# Altium PCB Copy of Hrafn425.PcbDoc (part 1 of 3) (continued)
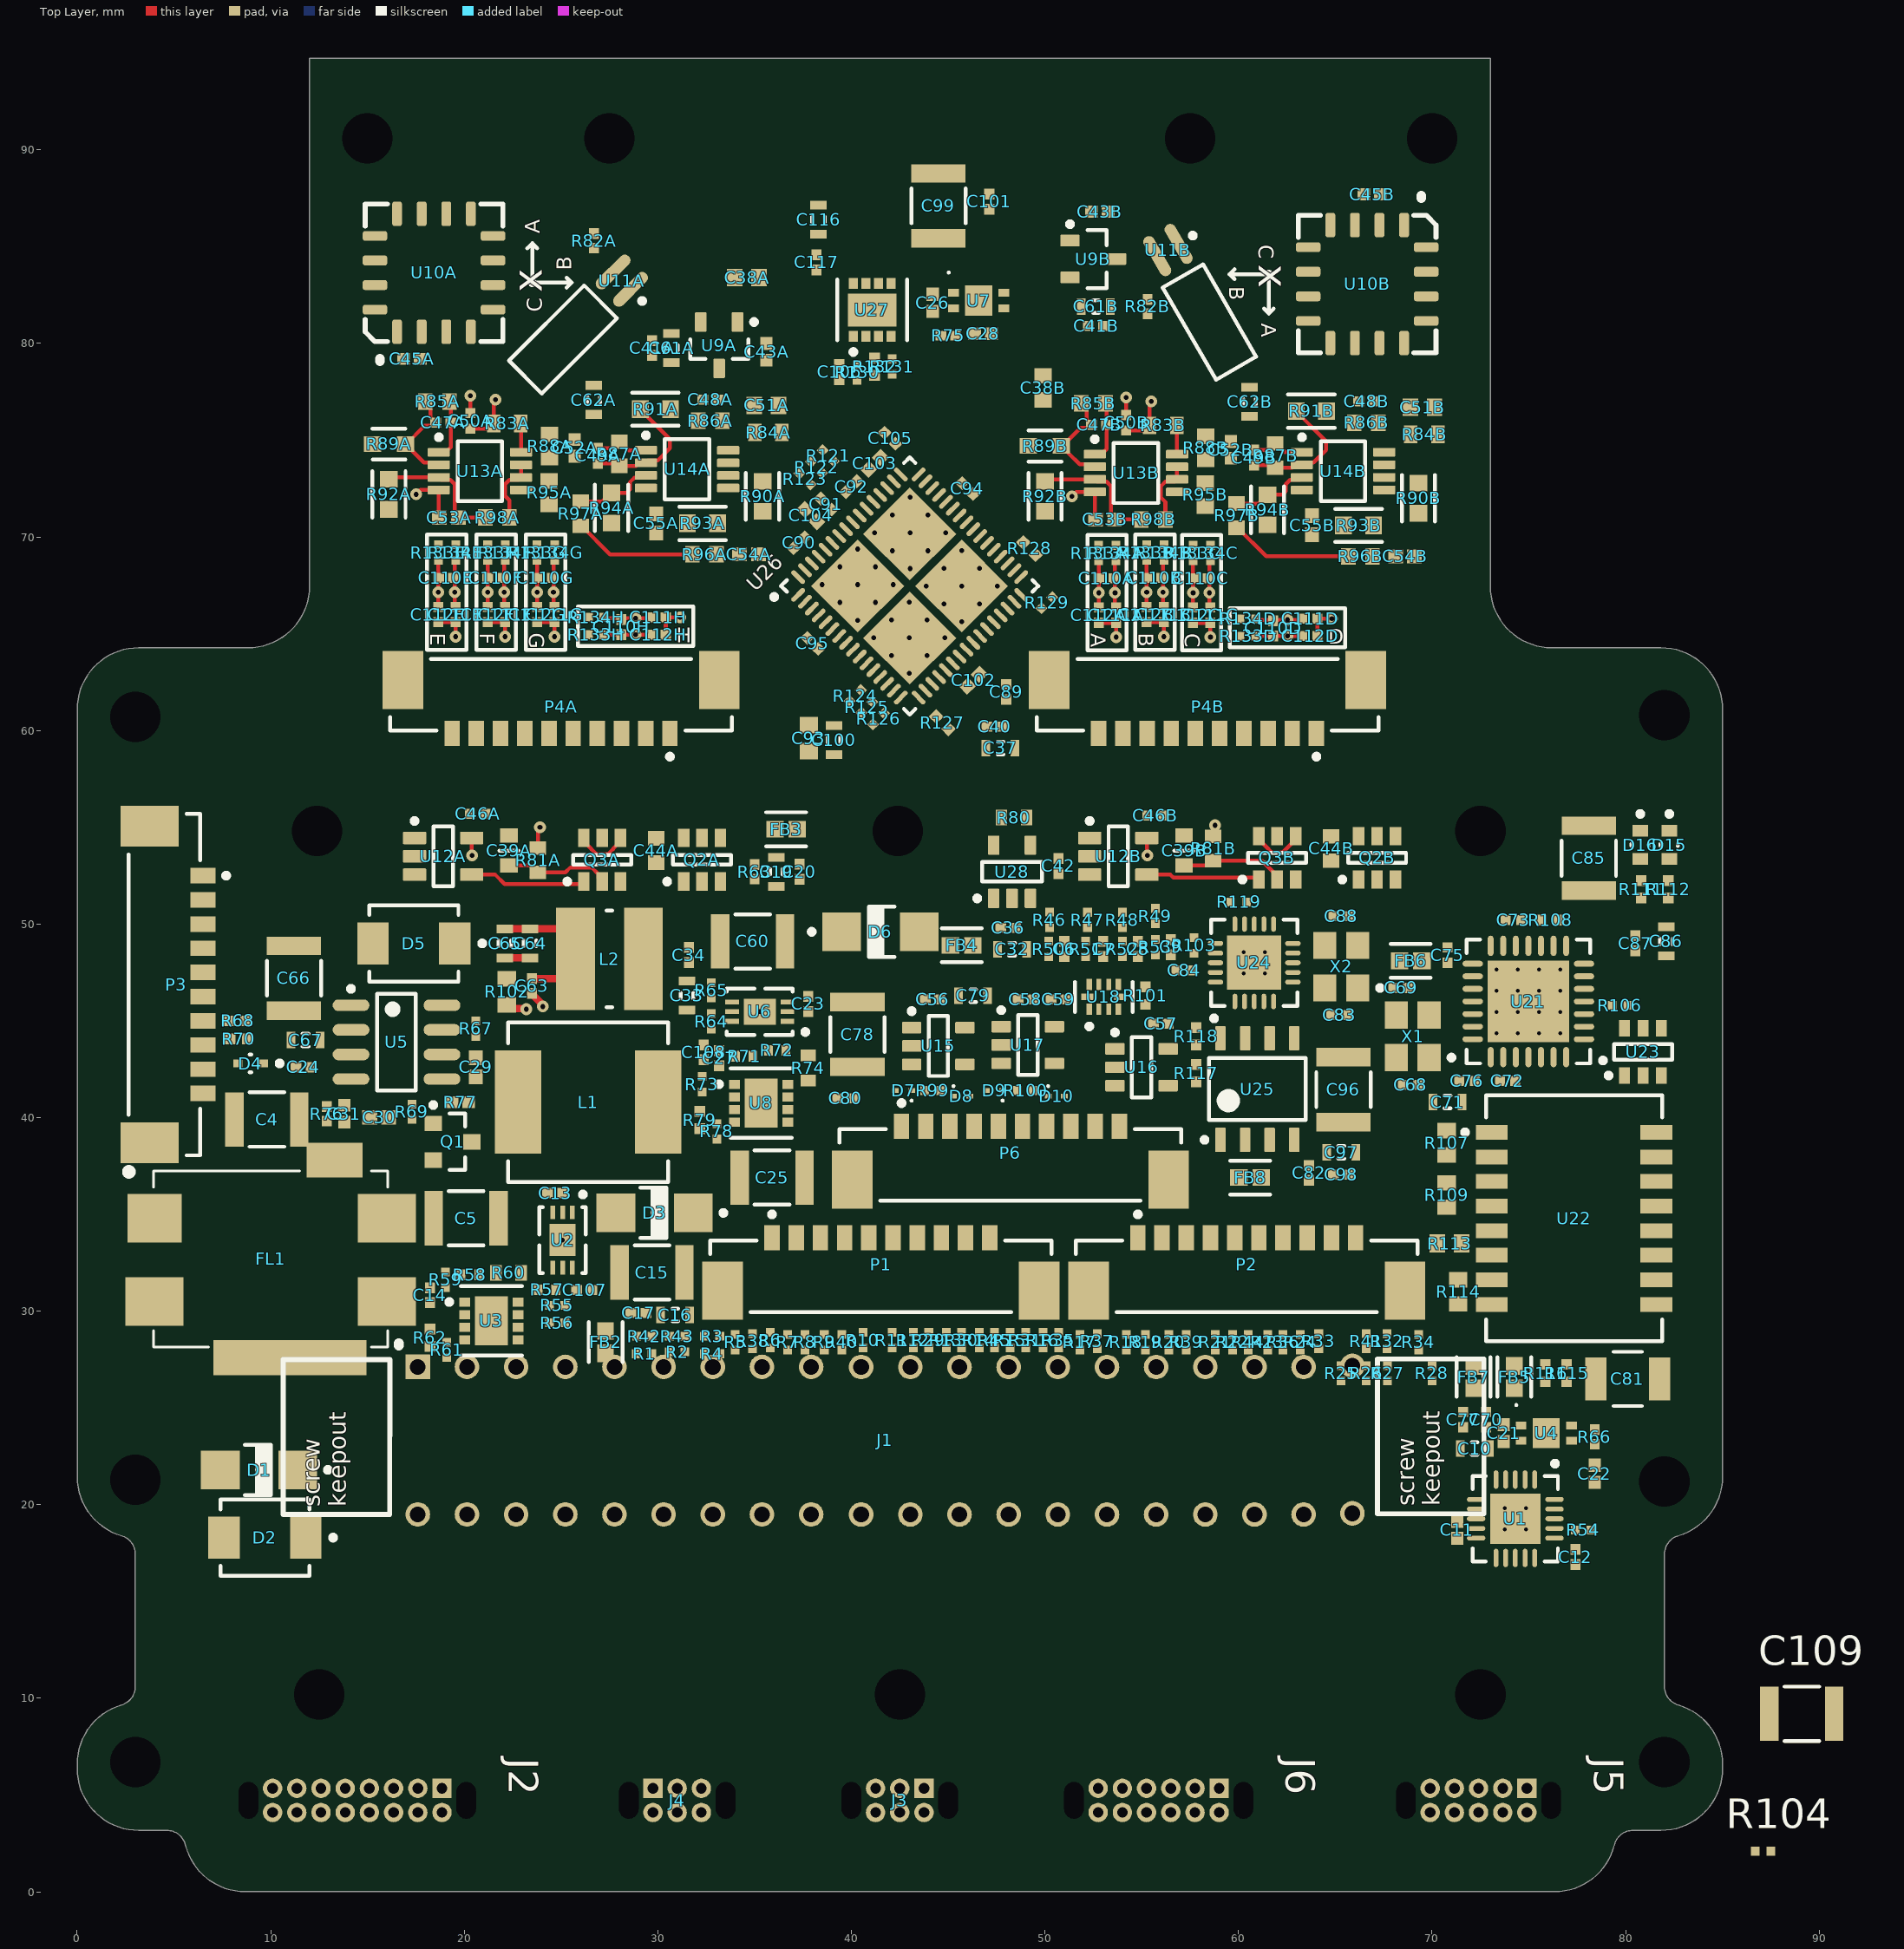
[diagram p0: Top Layer view]
## Components (designator, comment, footprint, x,y, rotation, side; value= is the part's Value field where it differs from the comment) (continued)
C66 "CGA6P1X7S1A476M250AC" FP-CGA6P-IPC_B 11.2,47.2 r90 top
C67 "10 uF" CAPC1608X90X20LL10 11.8,44 r180 top
C68 "18 pF" CAPC1005X55X25LL05T10 68.9,41.7 r0 top
C69 "18 pF" CAPC1005X55X25LL05T10 68.4,46.7 r0 top
C70 "0.1 uF" CAPC0402(1005)60_L 72.8,24.4 r90 top value=100nF
C71 "10 uF" CAPC1608X90X20LL10 70.8,40.8 r180 top
C72 "0.1 uF" CAPC0402(1005)60_L 73.9,41.9 r0 top value=100nF
C73 "0.1 uF" CAPC0402(1005)60_L 74.2,50.2 r0 top value=100nF
C75 "0.1 uF" CAPC0402(1005)60_L 70.8,48.4 r270 top value=100nF
C76 "0.1 uF" CAPC0402(1005)60_L 71.8,41.9 r180 top value=100nF
C77 "0.1 uF" CAPC0402(1005)60_L 71.6,24.4 r90 top value=100nF
C78 "CGA6P1X7S1A476M250AC" FP-CGA6P-IPC_B 40.315,44.3 r90 top
C79 "10 uF" CAPC1608X90X20LL10 46.29,46.3 r0 top
C80 "0.1 uF" CAPC1005X55X25LL05T10 39.69,41 r180 top
C81 "2.2nF" FP-CGA6P-MFG 80.1,26.5 r0 top
C82 "0.1 uF" CAPC1005X55X30LL05T10 63.64,37.15 r90 top
C83 "18 pF" CAPC1005X55X25LL05T10 65.21,45.3 r0 top
C84 "0.1 uF" CAPC1005X55X30LL05T10 57.2,47.6 r0 top
C85 "CGA6P1X7S1A476M250AC" FP-CGA6P-IPC_B 78.1,53.4 r90 top
C86 "10 uF" CAPC1608X90X20LL10 82.1,49.1 r270 top
C87 "0.1 uF" CAPC1005X55X25LL05T10 80.5,49 r270 top
C88 "18 pF" CAPC1005X55X25LL05T10 65.31,50.4 r180 top
C89 "0.1 uF" CAPC0402(1005)60_L 48,62 r90 top value=100nF
C90 "0.1 uF" CAPC0402(1005)60_L 37.3,69.7 r225 top value=100nF
C91 "0.1 uF" CAPC0402(1005)60_L 38.7,71.7 r315 top value=100nF
C92 "0.1 uF" CAPC0402(1005)60_L 40,72.6 r45 top value=100nF
C93 "10 uF" CAPC1608X90X35NL10T15 37.8,59.6 r90 top
C94 "0.1 uF" CAPC0402(1005)60_L 46,72.5 r315 top value=100nF
C95 "0.1 uF" CAPC0402(1005)60_L 38,64.5 r315 top value=100nF
C96 "CGA6P1X7S1A476M250AC" FP-CGA6P-IPC_B 65.421,41.445 r90 top
C97 "10 uF" CAPC1608X90X20LL10 65.31,38.2 r180 top
C98 "0.1 uF" CAPC1005X55X25LL05T10 65.297,37.055 r180 top
C99 "CGA6P1X7S1A476M250AC" FP-CGA6P-IPC_B 44.5,87.1 r90 top
C100 "10 uF" CAPC1608X90X20LL10 39.1,59.5 r90 top
C101 "0.1 uF" CAPC1005X55X25LL05T10 47.124,87.324 r270 top
C102 "1 uF" CAPC1005X60X30NL05T10 46.3,62.6 r45 top
C103 "1 uF" CAPC1005X60X30NL05T10 41.2,73.8 r225 top
C104 "1 uF" CAPC1005X60X30NL05T10 37.9,71.1 r315 top
C105 "0.1 uF" CAPC0402(1005)60_L 42,75.1 r315 top value=100nF
C106 "0.1 uF" CAPC1005X55X25LL05T10 39.374,78.518 r90 top
C107 "0.1 uF" CAPC1005X55X25LL05T10 26.2,31.1 r180 top
C108 "0.1 uF" CAPC1005X55X25LL05T10 32.368,43.374 r270 top
C109 "CGA6P1X7S1A476M250AC" FP-CGA6P-IPC_B 89.1,9.2 r0 top
C110A "1 uF" CAPC1005X55X25LL05T10 53.175,67.865 r180 top (schematic designator C110)
C110B "1 uF" CAPC1005X55X25LL05T10 55.65,67.89 r180 top (schematic designator C110)
C110C "1 uF" CAPC1005X55X25LL05T10 58.05,67.865 r180 top (schematic designator C110)
C110D "1 uF" CAPC1005X55X25LL05T10 61.784,65.275 r270 top (schematic designator C110)
C110E "1 uF" CAPC1005X55X25LL05T10 19.059,67.89 r180 top (schematic designator C110)
C110F "1 uF" CAPC1005X55X25LL05T10 21.612,67.89 r180 top (schematic designator C110)
C110G "1 uF" CAPC1005X55X25LL05T10 24.164,67.89 r180 top (schematic designator C110)
C110H "1 uF" CAPC1005X55X25LL05T10 28.11,65.35 r270 top (schematic designator C110)
C111A "0.1 uF" CAPC0402(1005)60_L 53.675,65.965 r90 top value=100nF (schematic designator C111)
C111B "0.1 uF" CAPC0402(1005)60_L 56.15,65.99 r90 top value=100nF (schematic designator C111)
C111C "0.1 uF" CAPC0402(1005)60_L 58.55,65.965 r90 top value=100nF (schematic designator C111)
C111D "0.1 uF" CAPC0402(1005)60_L 63.684,65.775 r180 top value=100nF (schematic designator C111)
C111E "0.1 uF" CAPC0402(1005)60_L 19.559,65.99 r90 top value=100nF (schematic designator C111)
C111F "0.1 uF" CAPC0402(1005)60_L 22.112,65.99 r90 top value=100nF (schematic designator C111)
C111G "0.1 uF" CAPC0402(1005)60_L 24.664,65.99 r90 top value=100nF (schematic designator C111)
C111H "0.1 uF" CAPC0402(1005)60_L 30.01,65.85 r180 top value=100nF (schematic designator C111)
C112A "0.1 uF" CAPC0402(1005)60_L 52.775,65.965 r90 top value=100nF (schematic designator C112)
C112B "0.1 uF" CAPC0402(1005)60_L 55.25,65.99 r90 top value=100nF (schematic designator C112)
C112C "0.1 uF" CAPC0402(1005)60_L 57.65,65.965 r90 top value=100nF (schematic designator C112)
C112D "0.1 uF" CAPC0402(1005)60_L 63.684,64.875 r180 top value=100nF (schematic designator C112)
C112E "0.1 uF" CAPC0402(1005)60_L 18.659,65.99 r90 top value=100nF (schematic designator C112)
C112F "0.1 uF" CAPC0402(1005)60_L 21.212,65.99 r90 top value=100nF (schematic designator C112)
C112G "0.1 uF" CAPC0402(1005)60_L 23.764,65.99 r90 top value=100nF (schematic designator C112)
C112H "0.1 uF" CAPC0402(1005)60_L 30.01,64.95 r180 top value=100nF (schematic designator C112)
C116 "10 uF" CAPC1608X90X20LL10 38.3,86.4 r270 top
C117 "0.1 uF" CAPC1005X55X25LL05T10 38.2,84.19 r90 top
D1 "Vz=5.6V nom" ONSC-SMA-2-403D-02_F_V 9.4,21.8 r180 top
D2 "STPS3L60U" FP-SMB-MFG 9.7,18.3 r180 top
D3 "Vz=5.6V nom" ONSC-SMA-2-403D-02_F_V 29.835,35.076 r180 top
D4 "1N914BWT" FP-502-01-MFG 8.96,42.8 r180 top value=4pF
D5 "STPS3L60U" FP-SMB-MFG 17.4,49 r180 top
D6 "Vz=3.9V nom" ONSC-SMA-2-403D-02_F_V 41.5,49.6 r0 top
D7 "ESD9R3.3ST5G" ONSC-SOD-923-2-514AB-01_V 42.69,41.4 r180 top
D8 "ESD9R3.3ST5G" ONSC-SOD-923-2-514AB-01_V 45.69,41.1 r0 top
D9 "ESD9R3.3ST5G" ONSC-SOD-923-2-514AB-01_V 47.39,41.4 r180 top
D10 "ESD9R3.3ST5G" ONSC-SOD-923-2-514AB-01_V 50.59,41.1 r0 top
D15 "TLMP1100-GS08" FP-6_541-5056_01-4-MFG 82.251,54.09 r270 top
D16 "TLMP1100-GS08" FP-6_541-5056_01-4-MFG 80.751,54.09 r270 top
FB2 "BLM18PG121SH1D" FP-BLM18-0_15-t0_8-IPC_C 27.3,28.4 r270 top
FB3 "BLM18PG121SH1D" FP-BLM18-0_15-t0_8-IPC_C 36.627,54.898 r180 top
FB4 "BLM18PG121SH1D" FP-BLM18-0_15-t0_8-IPC_C 45.7,48.9 r0 top
FB5 "BLM18PG121SH1D" FP-BLM18-0_15-t0_8-IPC_C 74.25,26.6 r90 top
FB6 "BLM18PG121SH1D" FP-BLM18-0_15-t0_8-IPC_C 68.9,48.1 r180 top
FB7 "BLM18PG121SH1D" FP-BLM18-0_15-t0_8-IPC_C 72.15,26.6 r90 top
FB8 "BLM18PG121SH1D" FP-BLM18-0_15-t0_8-IPC_C 60.6,36.9 r0 top
FL1 "BNX028-01L" "FIL_BNX028-01L - small" 10,32.7 r0 top
J1 "PiZero" DIP40 17.6,19.5 r90 top
J2 "Gecko_16" GECK16 18.85,5.35 r270 top
J3 "Gecko_6_M" GECK6_M 43.75,5.35 r270 top
J4 "Gecko_6_F" GECK6_F 29.75,4.1 r90 top
J5 "Gecko_10" GECK10-dup 74.9,5.35 r270 top
J6 "Gecko_12" GECK12 59,5.35 r270 top
L1 "IHLP3232DZER2R2M01" FP-IHLP-3232DZ-FP_2_413x5-MFG 26.4,40.8 r0 top
L2 "74404300047" WE-TPC-4828-MH 27.5,48.2 r180 top
P1 "53398-1071" MOLX-53398-1071_V 41.525,32.05 r180 top
P2 "53398-1071" MOLX-53398-1071_V 60.425,32.05 r180 top
P3 "53398-1071" MOLX-53398-1071_V 4.75,46.875 r90 top
P4A "53398-1071" MOLX-53398-1071_V 25,61.6 r0 top (schematic designator P4)
P4B "53398-1071" MOLX-53398-1071_V 58.4,61.6 r0 top (schematic designator P4)
P6 "53398-1071" MOLX-53398-1071_V 48.215,37.8 r180 top
Q1 "MMBT2222ALT3G" ONSC-SOT-23-3-318-08_V 19.4,38.75 r0 top
Q2A "NTGD4167CT1G" ONSC-TSOP-6-318G-02_V 32.281,53.322 r90 top (schematic designator Q2)
Q2B "NTGD4167CT1G" ONSC-TSOP-6-318G-02_V 67.158,53.422 r90 top (schematic designator Q2)
Q3A "NTGD4167CT1G" ONSC-TSOP-6-318G-02_V 27.123,53.322 r90 top (schematic designator Q3)
Q3B "NTGD4167CT1G" ONSC-TSOP-6-318G-02_V 62,53.422 r90 top (schematic designator Q3)
R1 "220 Ω" RESC1005X40X25LL05T05 29.29,27.8 r180 top
R2 "220 Ω" RESC1005X40X25LL05T05 31,27.9 r180 top
R3 "220 Ω" RESC1005X40X25LL05T05 32.8,28.7 r180 top
R4 "220 Ω" RESC1005X40X25LL05T05 32.8,27.8 r0 top
R5 "220 Ω" RESC1005X40X25LL05T05 34,28.4 r90 top
R6 "220 Ω" RESC1005X40X25LL05T05 35.8,28.5 r270 top
R7 "220 Ω" RESC1005X40X25LL05T05 36.7,28.4 r90 top
R8 "220 Ω" RESC1005X40X25LL05T05 37.6,28.4 r270 top
R9 "220 Ω" RESC1005X40X25LL05T05 38.6,28.4 r270 top
R10 "220 Ω" RESC1005X40X25LL05T05 40.6,28.5 r90 top
R11 "220 Ω" RESC1005X40X25LL05T05 42.1,28.5 r90 top
R12 "220 Ω" RESC1005X40X25LL05T05 43.2,28.5 r270 top
R13 "220 Ω" RESC1005X40X25LL05T05 44.9,28.5 r270 top
R14 "220 Ω" RESC1005X40X25LL05T05 46.6,28.5 r90 top
R15 "220 Ω" RESC1005X40X25LL05T05 48.2,28.5 r270 top
R16 "220 Ω" RESC1005X40X25LL05T05 49.9,28.5 r90 top
R17 "220 Ω" RESC1005X40X25LL05T05 51.8,28.4 r270 top
R18 "220 Ω" RESC1005X40X25LL05T05 54.2,28.4 r90 top
R19 "220 Ω" RESC1005X40X25LL05T05 55.2,28.4 r90 top
R20 "220 Ω" RESC1005X40X25LL05T05 56.4,28.4 r90 top
R21 "220 Ω" RESC1005X40X25LL05T05 58.8,28.4 r90 top
R22 "220 Ω" RESC1005X40X25LL05T05 59.7,28.4 r90 top
R23 "220 Ω" RESC1005X40X25LL05T05 61.5,28.4 r90 top
R24 "220 Ω" RESC1005X40X25LL05T05 63.2,28.4 r90 top
R25 "220 Ω" RESC1005X40X25LL05T05 65.3,26.79 r90 top
R26 "220 Ω" RESC1005X40X25LL05T05 66.6,26.79 r270 top
R27 "220 Ω" RESC1005X40X25LL05T05 67.7,26.79 r90 top
R28 "220 Ω" RESC1005X40X25LL05T05 70,26.79 r90 top
R29 "22kΩ" RESC1005X40X25LL05T05 44,28.5 r270 top
R30 "22kΩ" RESC1005X40X25LL05T05 45.7,28.5 r270 top
R31 "22kΩ" RESC1005X40X25LL05T05 49,28.5 r90 top
R32 "22kΩ" RESC1005X40X25LL05T05 67.678,28.448 r90 top
R33 "22kΩ" RESC1005X40X25LL05T05 64.142,28.448 r90 top
R34 "22kΩ" RESC1005X40X25LL05T05 69.3,28.4 r270 top
R35 "22kΩ" RESC1005X40X25LL05T05 50.7,28.5 r270 top
R36 "22kΩ" RESC1005X40X25LL05T05 62.3,28.4 r90 top
R37 "22kΩ" RESC1005X40X25LL05T05 52.7,28.448 r90 top
R38 "22kΩ" RESC1005X40X25LL05T05 34.9,28.448 r270 top
R39 "22kΩ" RESC1005X40X25LL05T05 57.3,28.4 r270 top
R40 "22kΩ" RESC1005X40X25LL05T05 39.5,28.4 r270 top
R41 "22kΩ" RESC1005X40X25LL05T05 66.6,28.448 r270 top
R42 "22kΩ" RESC1005X40X25LL05T05 29.3,28.7 r180 top
R43 "22kΩ" RESC1005X40X25LL05T05 31,28.7 r180 top
R44 "22kΩ" RESC1005X40X25LL05T05 60.5,28.4 r270 top
R45 "22kΩ" RESC1005X40X25LL05T05 47.4,28.5 r90 top
R46 "10k" RESC1005X40X25LL05T05 50.231,50.215 r90 top
R47 "10k" RESC1005X40X25LL05T05 52.2,50.21 r90 top
R48 "10k" RESC1005X40X25LL05T05 54,50.21 r90 top
R49 "10k" RESC1005X40X25LL05T05 55.7,50.41 r90 top
R50 "10k" RESC1005X40X25LL05T05 50.2,48.71 r90 top
R51 "10k" RESC1005X40X25LL05T05 52.1,48.71 r90 top
R52 "10k" RESC1005X40X25LL05T05 54,48.71 r90 top
R53 "10k" RESC1005X40X25LL05T05 55.7,48.81 r90 top
R54 "22kΩ" RESC1005X40X25LL05T05 77.8,18.7 r0 top
R55 "4.99K" RESC1005X40X25LL05T05 24.8,30.3 r0 top
R56 "4.99K" RESC1005X40X25LL05T05 24.8,29.4 r0 top
R57 "100" RESC0402(1005)_L 24.28,31.107 r0 top value="100.00 Ohm"
R58 "100" RESC0402(1005)_L 20.293,31.88 r180 top value="100.00 Ohm"
R59 "100K" RESC1005X40X25LL05T05 19.03,31.625 r90 top
R60 "20m" RESC1608X55X25LL10T15 22.293,31.98 r180 top
R61 "22k" RESC1005X40X25LL05T05 19.1,28 r90 top
R62 "274k" RESC1005X40X25NL05T05 18.23,28.625 r90 top
R63 "0.5" RESC1005X40X25LL10T10 35,52.7 r270 top
R64 "4.99K" RESC1005X40X25LL05T05 32.768,44.974 r270 top
R65 "4.99K" RESC1005X40X25LL05T05 32.768,46.574 r90 top
R66 "2 kΩ 0.1%" RESC1005X40X25LL10T10 78.4,23.5 r270 top
R67 "220 Ω" RESC1005X40X25LL05T05 20.6,44.6 r270 top
R68 "1.74 kΩ" RESC1005X40X25NL05T10 8.3,45 r0 top
R69 "10k" RESC1005X40X25LL05T05 17.3,40.3 r90 top
R70 "1 KOhm" RESC1005X40X25NL05T05 8.349,44.063 r180 top
R71 "100" RESC0402(1005)_L 34.468,43.174 r180 top value="100.00 Ohm"
R72 "100" RESC0402(1005)_L 36.168,43.474 r180 top value="100.00 Ohm"
R73 "100K" RESC1005X40X25LL05T05 32.285,41.721 r90 top
R74 "20m" RESC1608X55X25LL10T15 37.768,42.574 r90 top
R75 "2 kΩ 0.1%" RESC1005X40X25LL10T10 45,80.4 r0 top
R76 "2 kΩ 0.1%" RESC1005X40X25LL10T10 12.9,40.2 r90 top
R77 "47 kΩ" RESC1005X40X25NL10T10 19.8,40.8 r180 top
R78 "22k" RESC1005X40X25LL05T05 33.051,39.29 r90 top
R79 "274k" RESC1005X40X25NL05T05 32.168,39.874 r90 top
R80 "AC0603JR-070RL" RESC1608X55X25LL10T15 48.4,55.5 r0 top
R81A "120" RESC1608X55X30LL15T15 23.81,53.3 r90 top (schematic designator R81)
R81B "120" RESC1608X55X30LL15T15 58.687,53.9 r90 top (schematic designator R81)
R82A "2 kΩ 0.1%" RESC1005X40X25LL10T10 26.7,85.3 r270 top (schematic designator R82)
R82B "2 kΩ 0.1%" RESC1005X40X25LL10T10 55.3,81.9 r90 top (schematic designator R82)
R83A "0" RESC1608X55X25NL10T15 22.22,75.861 r180 top (schematic designator R83)
R83B "0" RESC1608X55X25NL10T15 56.11,75.761 r180 top (schematic designator R83)
R84A "0" RESC1608X55X25NL10T15 35.71,75.4 r0 top (schematic designator R84)
R84B "0" RESC1608X55X25NL10T15 69.6,75.3 r0 top (schematic designator R84)
R85A "249KΩ" RESC1609X55X30LL10T20 18.61,77 r0 top (schematic designator R85)
R85B "249KΩ" RESC1609X55X30LL10T20 52.5,76.9 r0 top (schematic designator R85)
R86A "249KΩ" RESC1609X55X30LL10T20 32.71,76 r0 top (schematic designator R86)
R86B "249KΩ" RESC1609X55X30LL10T20 66.6,75.9 r0 top (schematic designator R86)
R87A "249KΩ" RESC1609X55X30LL10T20 28.01,74.3 r90 top (schematic designator R87)
R87B "249KΩ" RESC1609X55X30LL10T20 61.9,74.2 r90 top (schematic designator R87)
R88A "10 KΩ 0.1%" RESC1608X55X30LL20T20 24.41,74.7 r90 top (schematic designator R88)
R88B "10 KΩ 0.1%" RESC1608X55X30LL20T20 58.3,74.6 r90 top (schematic designator R88)
R89A "4.99KΩ" FP-RT0603-MFG 16.11,74.8 r0 top (schematic designator R89)
R89B "4.99KΩ" FP-RT0603-MFG 50,74.7 r0 top (schematic designator R89)
R90A "4.99KΩ" FP-RT0603-IPC_B 35.41,72.1 r90 top (schematic designator R90)
R90B "4.99KΩ" FP-RT0603-IPC_B 69.3,72 r90 top (schematic designator R90)
R91A "4.99KΩ" FP-RT0603-IPC_B 29.876,76.603 r180 top (schematic designator R91)
R91B "4.99KΩ" FP-RT0603-IPC_B 63.766,76.503 r180 top (schematic designator R91)
R92A "4.99KΩ" FP-RT0603-IPC_B 16.11,72.2 r90 top (schematic designator R92)
R92B "4.99KΩ" FP-RT0603-IPC_B 50,72.1 r90 top (schematic designator R92)
R93A "4.99KΩ" FP-RT0603-IPC_B 32.31,70.7 r0 top (schematic designator R93)
R93B "4.99KΩ" FP-RT0603-IPC_B 66.2,70.6 r0 top (schematic designator R93)
R94A "4.99KΩ" FP-RT0603-IPC_B 27.61,71.5 r90 top (schematic designator R94)
R94B "4.99KΩ" FP-RT0603-IPC_B 61.5,71.4 r90 top (schematic designator R94)
R95A "10 KΩ 0.1%" RESC1608X55X30LL20T20 24.388,72.287 r90 top (schematic designator R95)
R95B "10 KΩ 0.1%" RESC1608X55X30LL20T20 58.278,72.187 r90 top (schematic designator R95)
R96A "249KΩ" RESC1609X55X30LL10T20 32.41,69.1 r0 top (schematic designator R96)
R96B "249KΩ" RESC1609X55X30LL10T20 66.3,69 r0 top (schematic designator R96)
R97A "249KΩ" RESC1609X55X30LL10T20 26.01,71.2 r90 top (schematic designator R97)
R97B "249KΩ" RESC1609X55X30LL10T20 59.9,71.1 r90 top (schematic designator R97)
R98A "249KΩ" RESC1609X55X30LL10T20 21.71,71 r180 top (schematic designator R98)
R98B "249KΩ" RESC1609X55X30LL10T20 55.6,70.9 r180 top (schematic designator R98)
R99 "100 Ohm" RESC1005X40X25LL05T05 44.19,41.4 r180 top
R100 "100 Ohm" RESC1005X40X25LL05T05 48.99,41.4 r180 top
R101 "5.1 kΩ" RESC1005X40X25NL05T05 55.19,46.3 r270 top
R102 "0.22 Ω" RESC1608X55X30NL15T15 22.2,46.5 r90 top
R103 "220 Ω" RESC1005X40X25LL05T05 57.7,48.9 r270 top
R104 "22kΩ" RESC1005X40X25LL05T05 87.1,2.1 r0 top
R106 "220 Ω" RESC1005X40X25LL05T05 79.7,45.8 r180 top
R107 "50 Ω" RESC1609X50X30NL10T20 70.75,38.7 r90 top
R108 "2.32 kΩ" RESC1005X40X25NL05T05 76.1,50.2 r180 top
R109 "50 Ω" RESC1609X50X30NL10T20 70.75,36 r90 top
R111 "1 kΩ" RESC1005X40X25NL05T05 80.8,51.8 r90 top
R112 "1 kΩ" RESC1005X40X25NL05T05 82.2,51.8 r90 top
R113 "50 Ω" RESC1609X50X30NL10T20 70.9,33.5 r0 top
R114 "50 Ω" RESC1609X50X30NL10T20 71.35,31 r90 top
R115 "75 Ω" RESC1005X40X25NL05T05 76.95,26.8 r270 top
R116 "75 Ω" RESC1005X40X25NL05T05 75.85,26.8 r270 top
R117 "1 kΩ" RESC1005X40X25NL05T05 57.81,42.3 r270 top
R118 "1 kΩ" RESC1005X40X25NL05T05 57.81,44.2 r270 top
R119 "220 Ω" RESC1005X40X25LL05T05 60.01,51.138 r180 top
R121 "220 Ω" RESC1005X40X25LL05T05 38.8,74.2 r135 top
R122 "220 Ω" RESC1005X40X25LL05T05 38.2,73.6 r135 top
R123 "220 Ω" RESC1005X40X25LL05T05 37.6,73 r135 top
R124 "220 Ω" RESC1005X40X25LL05T05 40.2,61.8 r225 top
R125 "220 Ω" RESC1005X40X25LL05T05 40.8,61.2 r225 top
R126 "220 Ω" RESC1005X40X25LL05T05 41.4,60.6 r45 top
R127 "220 Ω" RESC1005X40X25NL05T05 44.7,60.4 r315 top
R128 "220 Ω" RESC1005X40X25NL05T05 49.2,69.4 r315 top
R129 "220 Ω" RESC1005X40X25LL05T05 50.1,66.6 r45 top
R130 "100K" RESC1005X40X25LL05T05 40.3,78.5 r270 top
R131 "22k" RESC1005X40X25LL05T05 42.1,78.8 r90 top
R132 "274k" RESC1005X40X25NL05T05 41.2,78.8 r90 top
R133A "3.3 KΩ" RESC1005X40X25LL05T05 52.775,69.165 r270 top (schematic designator R133)
R133B "3.3 KΩ" RESC1005X40X25LL05T05 55.25,69.19 r270 top (schematic designator R133)
R133C "3.3 KΩ" RESC1005X40X25LL05T05 57.65,69.165 r270 top (schematic designator R133)
R133D "3.3 KΩ" RESC1005X40X25LL05T05 60.484,64.875 r0 top (schematic designator R133)
R133E "3.3 KΩ" RESC1005X40X25LL05T05 18.659,69.19 r270 top (schematic designator R133)
R133F "3.3 KΩ" RESC1005X40X25LL05T05 21.212,69.19 r270 top (schematic designator R133)
R133G "3.3 KΩ" RESC1005X40X25LL05T05 23.764,69.19 r270 top (schematic designator R133)
R133H "3.3 KΩ" RESC1005X40X25LL05T05 26.81,64.95 r0 top (schematic designator R133)
R134A "3.3 KΩ" RESC1005X40X25LL05T05 53.675,69.165 r270 top (schematic designator R134)
R134B "3.3 KΩ" RESC1005X40X25LL05T05 56.15,69.19 r270 top (schematic designator R134)
R134C "3.3 KΩ" RESC1005X40X25LL05T05 58.55,69.165 r270 top (schematic designator R134)
R134D "3.3 KΩ" RESC1005X40X25LL05T05 60.484,65.775 r0 top (schematic designator R134)
R134E "3.3 KΩ" RESC1005X40X25LL05T05 19.559,69.19 r270 top (schematic designator R134)
R134F "3.3 KΩ" RESC1005X40X25LL05T05 22.112,69.19 r270 top (schematic designator R134)
R134G "3.3 KΩ" RESC1005X40X25LL05T05 24.664,69.19 r270 top (schematic designator R134)
R134H "3.3 KΩ" RESC1005X40X25LL05T05 26.81,65.85 r0 top (schematic designator R134)
U1 "AD7298BCPZ" CP-20-8_M 74.3,19.275 r270 top
U2 "LT6105" LT6105 25.08,33.677 r270 top
U3 "FPF2701MPX" FP-511DD-MFG 21.4,29.5 r0 top
U4 "AD590J" DFN260P300X75-4N 75.9,23.7 r0 top
U5 "LT1959CS8#PBF" LT-S8-8_L 16.5,43.9 r0 top
U6 "LT6105" LT6105 35.268,45.474 r180 top
U7 "AD590J" DFN260P300X75-4N 46.578,82.212 r0 top
U8 "FPF2701MPX" FP-511DD-MFG 35.338,40.749 r0 top
U9A "REF3040AIDBZT" DBZ0003A_N 33.17,79.904 r270 top (schematic designator U9)
U9B "REF3040AIDBZT" DBZ0003A_N 52.496,84.36 r0 top (schematic designator U9)
U10A "HMC1053" LCC16 16.53,80.6 r90 top (schematic designator U10)
U10B "HMC1053" LCC16 68.553,86.113 r270 top (schematic designator U10)
U11A "AD590L/M" 2-FLATPAK 25.1,80.2 r225 top (schematic designator U11)
U11B "AD590L/M" 2-FLATPAK 58.5,81.1 r300 top (schematic designator U11)
U12A "SN74AHC1G04DBVR" DBV0005A_M 18.91,53.5 r0 top (schematic designator U12)
U12B "SN74AHC1G04DBVR" DBV0005A_M 53.787,53.5 r0 top (schematic designator U12)
U13A "LMP2022MM/NOPB" DGK0008A_L 20.81,73.4 r0 top (schematic designator U13)
U13B "LMP2022MM/NOPB" DGK0008A_L 54.7,73.3 r0 top (schematic designator U13)
U14A "LMP2022MM/NOPB" DGK0008A_L 31.51,73.5 r0 top (schematic designator U14)
U14B "LMP2022MM/NOPB" DGK0008A_L 65.4,73.4 r0 top (schematic designator U14)
U15 "DS90LV012ATMF/NOPB" DBV0005A_N 44.49,43.7 r0 top
U16 "TPS3820-33DBVT" DBV0005A_N 54.99,42.6 r0 top
U17 "DS90LV012ATMF/NOPB" DBV0005A_N 49.115,43.75 r0 top
U18 "TMUX136RSER" FP-RSE0010A-MFG 53.04,46.238 r90 top
U21 "ENC28J60-I/ML" QFN-ML28_N 74.975,46 r180 top
U22 "HX1188FNL" PULS-HX1188FNL-SMT-16_V 77.335,34.795 r270 top
U23 "CM1224-04SO" ONSC-SOT23-6-527AJ_V 80.9,43.4 r90 top
U24 "MCP2515T-I/ML" QFN-ML20_N 60.81,48 r90 top
U25 "SN65HVD230DR" D0008A_L 60.975,41.475 r90 top
U26 "AD7779" AD7779 43.012,67.466 r45 top
U27 "FPF2701MPX" FP-511DD-MFG 41.075,81.73 r90 top
U28 "TPS79133DBVR" DBV0005A_N 48.3,52.7 r90 top
X1 "ABM8G-25.000MHZ-18-D2Y-T" ABRA-ABM8G_V 69,44.2 r90 top
X2 "ABM8G-25.000MHZ-18-D2Y-T" ABRA-ABM8G_V 65.31,47.8 r90 top

## Footprints (in the part's own frame and the unit in brackets; to place one, negate y for a bottom-side part, rotate by r counter-clockwise, add the part's x,y. Pads: shape width x height; smd on the part's side, far side on the other; paste and mask are expansions set on the pad)
2-FLATPAK [mm] "CFP, 4-Leads, Body 2.36x6.10mm (max), Pitch 1.27mm, IPC Medium Density"
  oval 2.3x0.6 smd: 1(-4.3,0.635) 2(-4.3,-0.635)
  silkscreen extent -4.42,-1.2 2.75,1.61, body extent -3.05,-1.18 3.05,1.18, height 1.27
ABRA-ABM8G_V [mm] "SMD, 4-Leads, Body 2.5x3.2mm, Pitch 2.2mm"
  rect 1.4x1.2 smd: 1(-1.1,-0.85) 2(1.1,-0.85) 3(1.1,0.85) 4(-1.1,0.85)
  silkscreen extent -1.22,-2.12 -0.98,-1.88, body extent -1.6,-1.24 1.6,1.24, height 0.99
AD7779 [mm] "QFN, 64-Leads, Body 9.00x9.00mm, Pitch 0.50mm, Thermal Pad 7.55x7.55mm, IPC Medium Density"
  rect 3.4x3.4 smd: 0(-1.9,1.9) 0(-1.9,-1.9) 0(1.9,-1.9) 0(1.9,1.9)
  oval 0.9x0.25 smd: 1(-4.4,3.75) 2(-4.4,3.25) 3(-4.4,2.75) 4(-4.4,2.25) 5(-4.4,1.75) 6(-4.4,1.25) 7(-4.4,0.75) 8(-4.4,0.25) 9(-4.4,-0.25) 10(-4.4,-0.75) 11(-4.4,-1.25) 12(-4.4,-1.75) 13(-4.4,-2.25) 14(-4.4,-2.75) 15(-4.4,-3.25) 16(-4.4,-3.75) 33(4.4,-3.75) 34(4.4,-3.25) 35(4.4,-2.75) 36(4.4,-2.25) 37(4.4,-1.75) 38(4.4,-1.25) 39(4.4,-0.75) 40(4.4,-0.25) 41(4.4,0.25) 42(4.4,0.75) 43(4.4,1.25) 44(4.4,1.75) 45(4.4,2.25) 46(4.4,2.75) 47(4.4,3.25) 48(4.4,3.75)
  oval 0.25x0.9 smd: 17(-3.75,-4.4) 18(-3.25,-4.4) 19(-2.75,-4.4) 20(-2.25,-4.4) 21(-1.75,-4.4) 22(-1.25,-4.4) 23(-0.75,-4.4) 24(-0.25,-4.4) 25(0.25,-4.4) 26(0.75,-4.4) 27(1.25,-4.4) 28(1.75,-4.4) 29(2.25,-4.4) 30(2.75,-4.4) 31(3.25,-4.4) 32(3.75,-4.4) 49(3.75,4.4) 50(3.25,4.4) 51(2.75,4.4) 52(2.25,4.4) 53(1.75,4.4) 54(1.25,4.4) 55(0.75,4.4) 56(0.25,4.4) 57(-0.25,4.4) 58(-0.75,4.4) 59(-1.25,4.4) 60(-1.75,4.4) 61(-2.25,4.4) 62(-2.75,4.4) 63(-3.25,4.4) 64(-3.75,4.4)
  silkscreen extent -5.47,-4.7 4.7,4.7, body extent -4.55,-4.55 4.55,4.55, height 0.8
CAPC0402(1005)60_L [mm] "Chip Capacitor, Body 1.0x0.5mm, Height 0.6mm, IPC High Density"
  rect 0.52x0.52 smd: 1(-0.4,0) 2(0.4,0)
  body extent -0.55,-0.3 0.55,0.3, height 0.6
CAPC1005X55X25LL05T10 [mm] "Chip Capacitor, 2-Leads, Body 1.05x0.55mm, IPC High Density"
  rect 0.56x0.52 smd: 1(-0.39,0) 2(0.39,0)
  body extent -0.53,-0.28 0.53,0.28, height 0.55
CAPC1005X55X25ML05T10 [mm] "Chip Capacitor, 2-Leads, Body 1.00x0.50mm, IPC Low Density"
  rect 0.76x0.72 smd: 1(-0.49,0) 2(0.49,0)
  body extent -0.53,-0.28 0.53,0.27, height 0.55
CAPC1005X55X25NL05T10 [mm] "Chip Capacitor, 2-Leads, Body 1.00x0.50mm, IPC Medium Density"
  rect 0.66x0.62 smd: 1(-0.44,0) 2(0.44,0)
  body extent -0.53,-0.28 0.53,0.27, height 0.55
CAPC1005X55X30LL05T10 [mm] "Chip Capacitor, 2-Leads, Body 1.00x0.50mm, IPC High Density"
  rect 0.56x0.52 smd: 1(-0.38,0) 2(0.38,0)
  body extent -0.53,-0.28 0.53,0.28, height 0.55
CAPC1005X56X25ML10T15 [mm] "Chip Capacitor, 2-Leads, Body 1.00x0.50mm, IPC Low Density"
  rect 0.78x0.74 smd: 1(-0.49,0) 2(0.49,0)
  body extent -0.55,-0.3 0.55,0.3, height 0.56
CAPC1005X56X25NL10T15 [mm] "Chip Capacitor, 2-Leads, Body 1.00x0.50mm, IPC Medium Density"
  rect 0.68x0.64 smd: 1(-0.44,0) 2(0.44,0)
  body extent -0.55,-0.3 0.55,0.3, height 0.56
CAPC1005X60X30NL05T10 [mm] "Chip Capacitor, 2-Leads, Body 1.00x0.50mm, IPC Medium Density"
  rect 0.66x0.62 smd: 1(-0.43,0) 2(0.43,0)
  body extent -0.53,-0.28 0.53,0.27, height 0.6
CAPC1608X87X35LL15T15 [mm] "Chip Capacitor, 2-Leads, Body 1.60x0.80mm, IPC High Density"
  rect 0.8x0.9 smd: 1(-0.625,0) 2(0.625,0)
  body extent -0.87,-0.48 0.87,0.48, height 0.87
CAPC1608X90X20LL10 [mm]
  rect 0.45x0.85 smd: 1(-0.75,0) 2(0.75,0)
  silkscreen extent -0.15,-0.33 0.15,0.33, body extent -0.85,-0.45 0.85,0.45, height 0.9
CAPC1608X90X35LL10T15 [mm] "Chip Capacitor, 2-Leads, Body 1.60x0.80mm, IPC High Density"
  rect 0.75x0.85 smd: 1(-0.625,0) 2(0.625,0)
  body extent -0.85,-0.45 0.85,0.45, height 0.9
CAPC1608X90X35NL10T15 [mm] "Chip Capacitor, 2-Leads, Body 1.60x0.80mm, IPC Medium Density"
  rect 0.85x0.95 smd: 1(-0.675,0) 2(0.675,0)
  body extent -0.85,-0.45 0.85,0.45, height 0.9
CP-20-8_M [mm] "QFN, 20-Leads, Body 4x4mm, Pitch 0.5mm, Thermal Pad 2.6x2.6mm, IPC Low Density"
  oval 0.95x0.25 smd: 1(-2.025,1) 2(-2.025,0.5) 3(-2.025,0) 4(-2.025,-0.5) 5(-2.025,-1) 11(2.025,-1) 12(2.025,-0.5) 13(2.025,0) 14(2.025,0.5) 15(2.025,1)
  oval 0.25x0.95 smd: 6(-1,-2.025) 7(-0.5,-2.025) 8(0,-2.025) 9(0.5,-2.025) 10(1,-2.025) 16(1,2.025) 17(0.5,2.025) 18(0,2.025) 19(-0.5,2.025) 20(-1,2.025)
  rect 2.6x2.6 smd: 21(0,0)
  silkscreen extent -2.97,-2.2 2.2,2.2, body extent -2.05,-2.05 2.05,2.05, height 0.8
D0008A_L [mm] "SOIC, 8-Leads, Body 5x4mm, Pitch 1.27mm, IPC High Density"
  rrect18% 1.25x0.55 smd: 1(-2.625,1.905) 2(-2.625,0.635) 3(-2.625,-0.635) 4(-2.625,-1.905) 5(2.625,-1.905) 6(2.625,-0.635) 7(2.625,0.635) 8(2.625,1.905)
  silkscreen extent -2.75,-2.5 1.6,2.85, body extent -3,-2.45 3,2.45, height 1.63
DBV0005A_M [mm] "SOT23, 5-Leads, Body 3.05x1.75mm, Pitch 0.95mm, IPC Low Density"
  rrect15% 1.2x0.65 smd: 1(-1.475,0.95) 2(-1.475,0) 3(-1.475,-0.95) 4(1.475,-0.95) 5(1.475,0.95)
  silkscreen extent -1.6,-1.55 0.5,1.95, body extent -1.42,-1.46 1.42,1.46, height 1.08
DBV0005A_N [mm] "SOT23, 5-Leads, Body 3.05x1.75mm, Pitch 0.95mm, IPC Medium Density"
  rrect17% 1x0.6 smd: 1(-1.375,0.95) 2(-1.375,0) 3(-1.375,-0.95) 4(1.375,-0.95) 5(1.375,0.95)
  silkscreen extent -1.5,-1.55 0.5,1.92, body extent -1.42,-1.46 1.42,1.46, height 1.08
DBZ0003A_N [mm] "SOT23, 3-Leads, Body 3.04x1.4mm, Pitch 0.95mm, IPC Medium Density"
  rrect17% 1x0.6 smd: 1(-1.2,0.95) 2(-1.2,-0.95) 3(1.2,0)
  silkscreen extent -1.32,-1.5 0.7,1.93, body extent -1.26,-1.46 1.26,1.46, height 0.96
DFN260P300X75-4N [mm] "DFN, 4-Leads, Body 2.00x3.00mm, Pitch 2.60mm, IPC Medium Density"
  rect 0.55x0.4 smd: 1(-1.3,0.4) 2(-1.3,-0.4) 3(1.3,-0.4) 4(1.3,0.4)
  rect 1.4x1.55 smd: 5(0,0)
  silkscreen extent -1.6,1.4 -1.5,1.5, body extent -1.55,-1.05 1.55,1.05, height 0.75
DGK0008A_L [mm] "TSOP, 8-Leads, Body 3.1x3.1mm, Pitch 0.65mm, IPC High Density"
  rrect22% 1.15x0.45 smd: 1(-2.125,0.975) 2(-2.125,0.325) 3(-2.125,-0.325) 4(-2.125,-0.975) 5(2.125,-0.975) 6(2.125,-0.325) 7(2.125,0.325) 8(2.125,0.975)
  silkscreen extent -2.25,-1.55 1.15,1.87, body extent -2.45,-1.5 2.45,1.5, height 0.94
DIP40 [mil]
  rect 50x50 hole 32: 1(300,0)
  round 50 hole 32: 2(0,0) 3(300,-100) 4(0,-100) 5(300,-200) 6(0,-200) 7(300,-300) 8(0,-300) 9(300,-400) 10(0,-400) 11(300,-500) 12(0,-500) 13(300,-600) 14(0,-600) 15(300,-700) 16(0,-700) 17(300,-800) 18(0,-800) 19(299.82,-901.76) 20(-0.18,-901.76) 21(299.82,-1001.76) 22(-0.18,-1001.76) 23(299.82,-1101.76) 24(-0.18,-1101.76) 25(299.82,-1201.76) 26(-0.18,-1201.76) 27(299.82,-1301.76) 28(-0.18,-1301.76) 29(299.82,-1401.76) 30(-0.18,-1401.76) 31(299.82,-1501.76) 32(-0.18,-1501.76) 33(299.82,-1601.76) 34(-0.18,-1601.76) 35(299.82,-1701.76) 36(-0.18,-1701.76) 37(299.82,-1801.76) 38(-0.18,-1801.76) 39(302.18,-1900.88) 40(2.18,-1900.88)
  silkscreen extent 0,-2169 349,274, body extent 0,-1950 300,50, height 230
"FIL_BNX028-01L - small" [mm]
  rect 2.8x2.5 smd: 1(-6,2.1)
  rect 3x2.5 smd: 2(6,2.1) 3(-6,-2.2) 5(6,-2.2)
  rect 2.9x1.8 smd: 4(3.3,5.1)
  rect 7.9x1.8 smd: 6(1,-5.1)
  silkscreen extent -7.42,-4.55 6.05,4.6, body extent -6.05,-4.55 6.05,4.55, height 3.7
FP-6_541-5056_01-4-MFG [mm]
  rect 0.6x0.8 smd paste+0 mask+0: 1(-0.725,0) 2(0.725,0)
  silkscreen extent -1.72,-0.45 0.05,0.45, body extent -1.12,-0.55 1.12,0.55, height 0.25
FP-502-01-MFG [mm]
  rect 0.48x0.4 smd paste+0 mask+0: 1(-0.66,0) 2(0.66,0)
  silkscreen extent -1.63,-0.45 0.05,0.45, body extent -1,-0.55 1,0.55, height 0.25
FP-511DD-MFG [mm]
  rect 0.56x0.47 smd paste+0 mask+0: 1(-1.37,0.975) 2(-1.37,0.325) 3(-1.37,-0.325) 4(-1.37,-0.975) 5(1.37,-0.975) 6(1.37,-0.325) 7(1.37,0.325) 8(1.37,0.975)
  rect 1.7x2.52 smd paste+0 mask+0: 9(0,0)
  silkscreen extent -2.3,-1.8 1.58,1.8, body extent -1.75,-1.68 1.75,1.68, height 0.25
FP-BLM18-0_15-t0_8-IPC_C [mm]
  rect 0.906x0.858 smd paste+0 mask+0: 1(-0.576,0) 2(0.576,0)
  silkscreen extent -1.03,-0.87 1.03,0.87, body extent -1.13,-0.58 1.13,0.58, height 0.25
FP-CGA6P-IPC_B [mm]
  rect 0.953x2.804 smd paste+0 mask+0: 1(-1.675,0) 2(1.675,0)
  silkscreen extent -0.9,-1.4 0.9,1.4, body extent -2.4,-1.65 2.4,1.65, height 0.25
FP-CGA6P-MFG [mm]
  rect 1.1x2.2 smd paste+0 mask+0: 1(-1.65,0) 2(1.65,0)
  silkscreen extent -0.72,-1.4 0.72,1.4, body extent -2.3,-1.5 2.3,1.5, height 0.25
FP-GRM18-0_2-MFG [mm]
  rect 0.75x0.9 smd paste+0 mask+0: 1(-0.775,0) 2(0.775,0)
  silkscreen extent 0,-0.5 0,0.5, body extent -1.25,-0.6 1.25,0.6, height 0.25
FP-IHLP-3232DZ-FP_2_413x5-MFG [mil]
  rect 95x210 smd paste+0 mask+0: 1(-142.5,0) 2(142.5,0)
  silkscreen extent -163,-163 163,163, body extent -194,-166 194,166, height 10